# KiCad board CPU2908C3bak.kicad_pcb (continued)
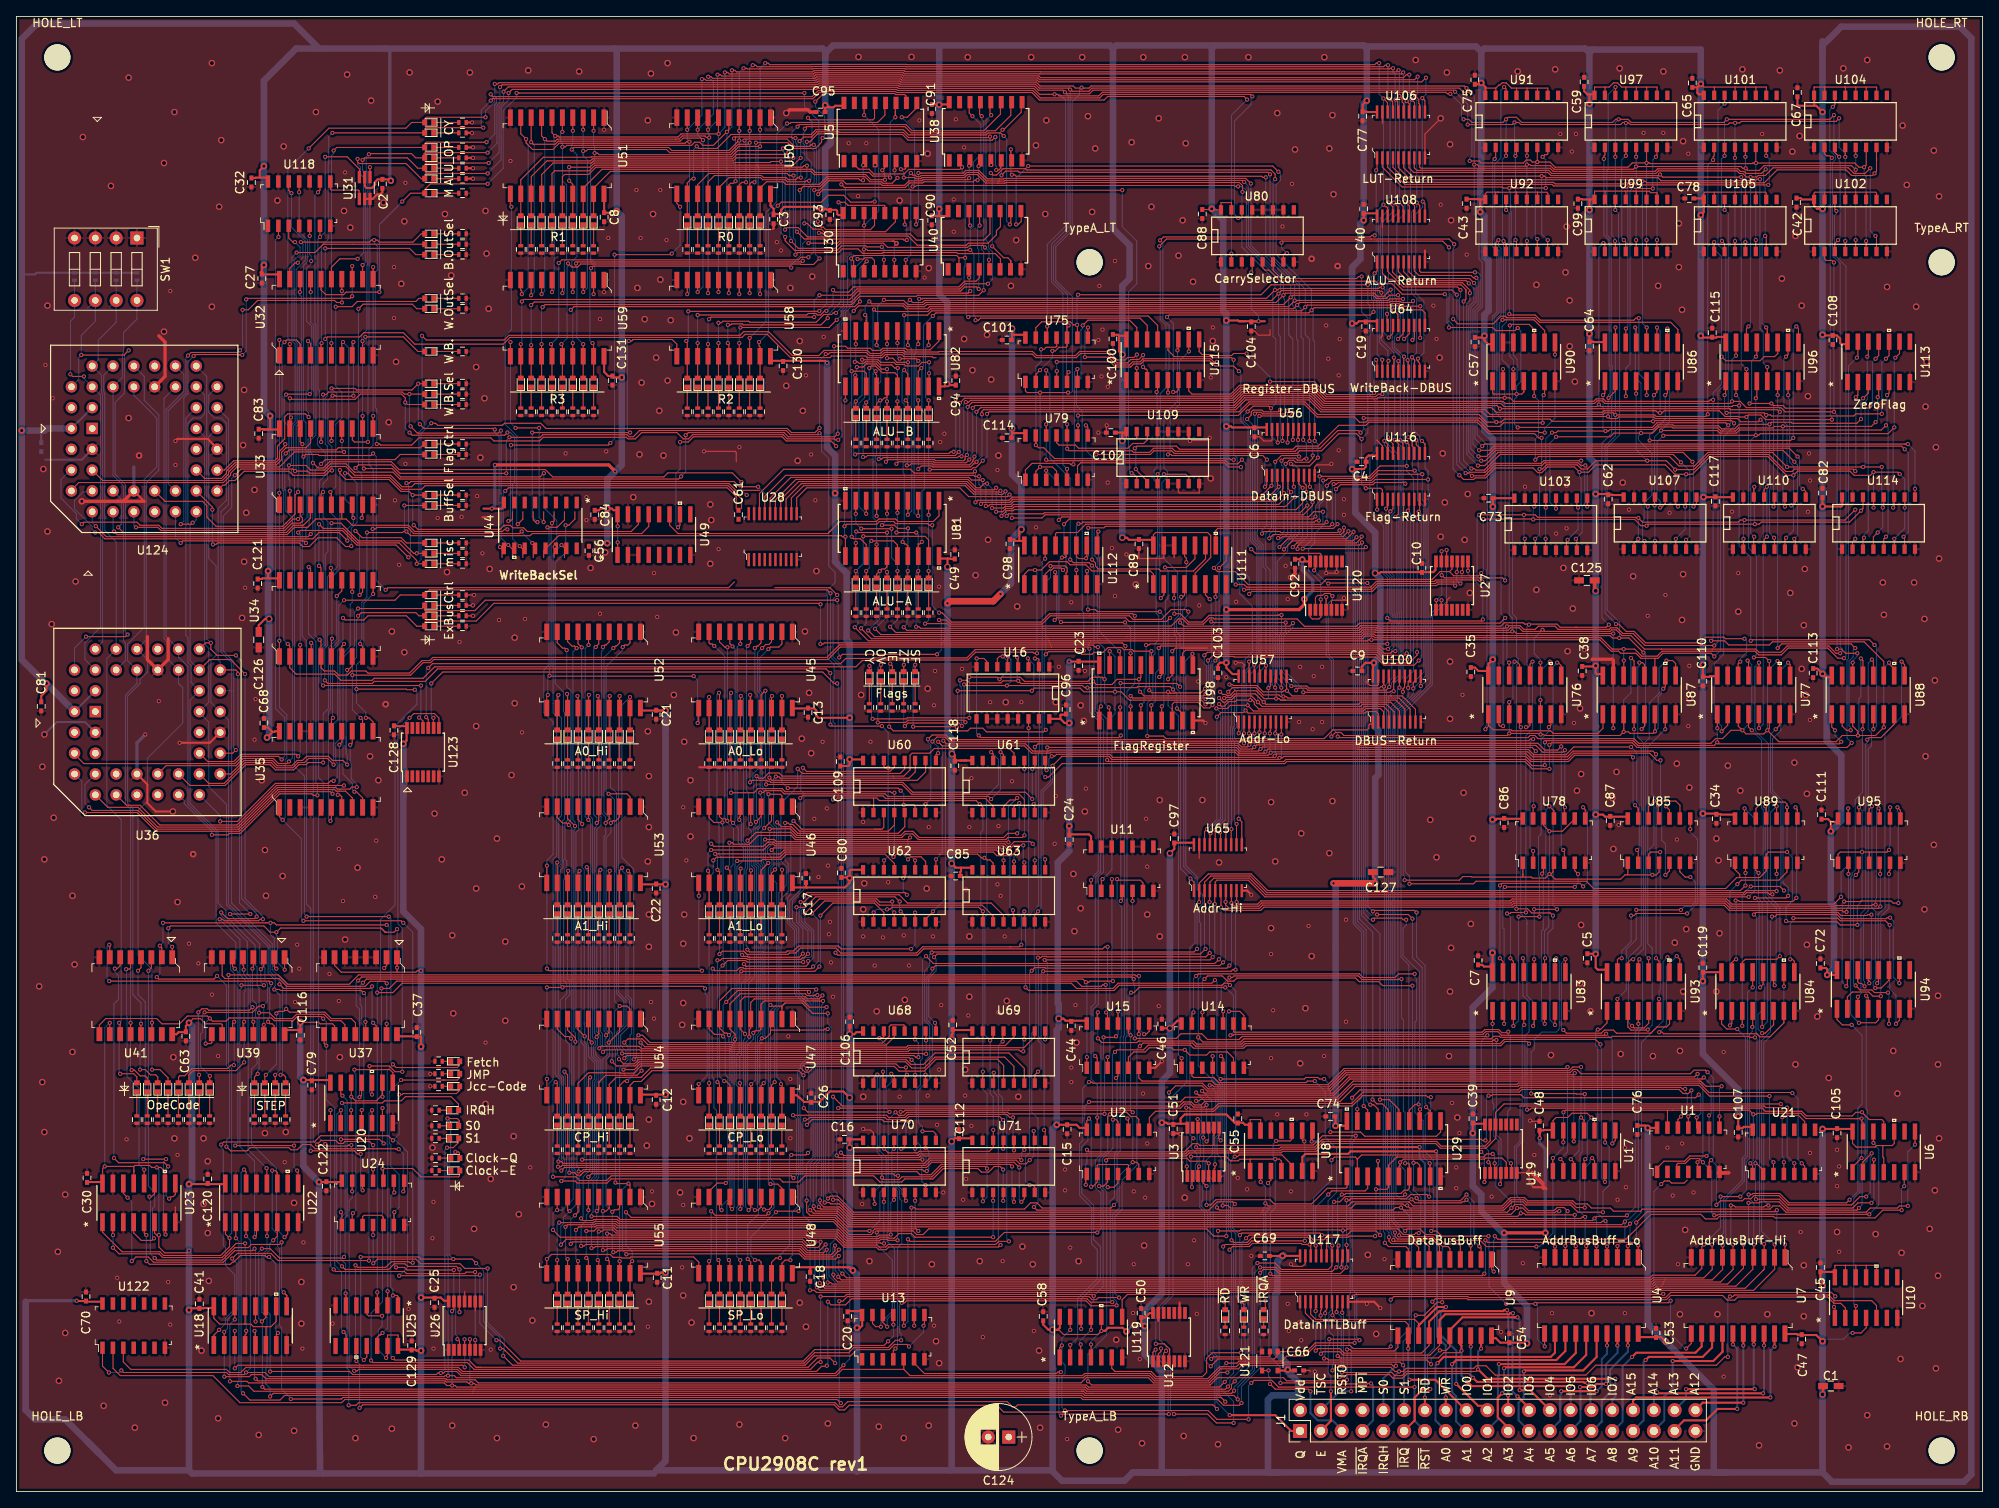
[diagram p0: board, top side]
## Routing (per net, layer and track width the routed paths; a pad name or vN(x,y) marks a point on that pad's centre or on a via; arc(x,y) is an arc through that point) (continued)
/Sequencer/BROM/A11: length 93.1
  Top w0.127: U41.11 12.67,57.08 v1(12.54,57.21) ; 14.7,49.97 14.7,50.6 14.32,50.98 v1(12.67,50.98)
  Bottom w0.127: U124.37 10.65,136.2 10.65,134.17 10.78,134.04 10.78,117.28 12.18,115.88 U36.37 11.04,101.66 11.04,83.75 12.79,81.99 12.79,57.45 v1(12.54,57.21) 12.54,51.11 v1(12.67,50.98)
/Sequencer/BROM/A12: length 49.8
  Bottom w0.127: SW1.8 14.72,143.06 13.07,141.41 13.07,138.97 12.94,138.84 12.94,135.94 U124.38 11.8,124.01 13.07,122.74 13.07,103.81 13.32,103.56 13.32,101.4 U36.38 ; R150.2 14.72,145.72 ; 14.46,144.96 14.72,145.22
/Sequencer/BROM/A13: length 47.6
  Bottom w0.127: U36.39 10.53,103.69 10.53,133.89 10.4,134.02 10.4,136.2 U124.39 9.98,138.07 9.98,140.48 12.18,142.68 SW1.7 11.38,144.54 ; R149.2 12.18,145.98
/Sequencer/BROM/A14: length 66.8
  Top w0.127: v1(13.7,139.25) 13.13,138.68 v1(7.92,138.68) ; v1(8.5,104.32) 13.31,104.32 v1(13.57,104.58)
  Bottom w0.127: R148.2 9.64,145.98 ; U124.40 7.61,135.69 7.61,138.36 v1(7.92,138.68) 7.92,141.09 9.64,142.8 SW1.6 ; v1(13.57,104.58) 13.33,104.83 13.33,122.86 12.05,124.13 12.05,132.9 13.19,134.04 13.19,138.74 v1(13.7,139.25) ; SW1.6 9.64,145.22 ; SW1.6 8.69,144.39 ; 7.1,100.39 7.1,102.91 v1(8.5,104.32)
/Sequencer/BROM/A15: length 51.8
  Top w0.127: v1(8.24,136.07) 6.84,136.07 v1(6.59,136.33)
  Bottom w0.127: 7.1,144.21 SW1.5 ; 7.1,145.22 7.1,143.31 6.59,142.8 v1(6.59,136.33) ; U36.41 8.37,101.53 8.37,103.56 10.27,105.47 10.27,133.79 U124.41 8.24,135.82 v1(8.24,136.07) ; R129.2 7.1,145.98
/Sequencer/BROM/load: length 77.8
  Top w0.127: v1(39.93,19.49) 40.23,19.19 U25.9 ; U41.9 10.13,56.94 10.91,57.71 11.14,57.71 11.15,57.72 17.13,57.72 17.77,57.08 19.92,57.08 20.87,58.03 23.32,58.03 v1(23.61,57.74) 23.94,57.41 25.59,57.41 25.97,57.79 31.16,57.79 31.49,57.46 33.77,57.46 34.27,57.96 37.2,57.96 v1(37.45,57.71) ; v1(37.83,54.41) 37.56,54.68 U37.9 ; 23.86,55.55 23.86,54.79 23.73,54.66 v1(23.1,54.66)
  Bottom w0.127: v1(37.45,57.71) 37.83,57.33 v1(37.83,54.41) 37.83,47.81 38.85,46.79 38.85,27.61 39.68,26.78 39.68,19.74 v1(39.93,19.49) ; v1(23.1,54.66) 23.1,57.23 v1(23.61,57.74)
/Sequencer/BROM/update: length 108.5
  Top w0.127: v1(24.5,62.92) 24.12,62.54 17.37,62.54 v1(17.13,62.78) ; v1(45.2,69.14) 31.74,69.14 31.48,69.4 30.45,69.4 30.45,69.4 v1(17.89,69.4) ; U37.2 45.18,64.17 v1(44.9,63.89) ; v1(31.74,63.81) 31.47,64.08 31.47,65.46 ; v1(25.64,42.09) 26.15,41.58 28.15,41.58 28.53,41.96 33.26,41.96 33.51,41.71 34.28,41.71 34.91,42.35 35.95,42.35 36.46,41.84 46.25,41.84 46.31,41.78 v1(46.66,41.78) ; v1(17.51,66.6) 17.75,66.37 U41.2 ; U24.8 47.34,36.74 v1(47.23,36.63)
  Bottom w0.127: v1(25.64,42.09) 25.64,42.85 26.02,43.24 26.02,51.55 25.64,51.94 25.64,61.78 v1(24.5,62.92) ; v1(31.02,69.4) 31.02,67.96 31.49,67.49 31.49,64.06 v1(31.74,63.81) ; v1(47.23,36.63) 47.23,41.22 v1(46.66,41.78) ; v1(17.89,69.4) 17.89,66.98 v1(17.51,66.6) 17.51,63.16 v1(17.13,62.78) ; v1(45.2,69.14) 45.46,68.89 45.46,64.45 v1(44.9,63.89)
/Sequencer/CY: length 155.4
  Top w0.127: v1(104.13,100.77) 104.11,100.75 D28.2 ; U98.2 133.45,95.58 v1(133.34,95.69) ; 153.4,149.79 153.4,149.03 154.42,148.01 163.59,148.01 163.84,148.26 v1(164.2,148.26) ; U16.6 119.73,101.64 120,101.91 v1(120.38,101.91) ; v1(164.71,122.42) 166.54,122.42 166.74,122.23 166.74,121.59 ; v1(116.32,99.37) 119.75,99.37 v1(120,99.11) 120.25,99.37 122.54,99.37 123.05,98.86 130.78,98.86 131.29,99.37 132.57,99.37 v1(132.83,99.11) ; v1(131.81,126.55) 138.41,126.55 138.86,127 141.02,127 141.34,126.67 156.32,126.67 156.64,127 159.31,127 161.4,129.09 163.56,129.09 v1(164.2,128.45) ; v1(116.32,94.42) 108.74,94.42 108.61,94.29 v1(104.51,94.29)
  Bottom w0.127: v1(164.2,148.26) 164.2,143.95 164.96,143.18 164.96,129.21 v1(164.2,128.45) 164.2,122.93 v1(164.71,122.42) ; v1(131.81,126.55) 131.56,126.3 131.56,114.22 131.94,113.85 131.94,103.77 132.83,102.88 v1(132.83,99.11) 132.83,96.19 v1(133.34,95.69) ; v1(104.51,94.29) 104.38,94.42 104.38,100.51 v1(104.13,100.77) ; v1(120,99.11) 120.89,100 120.89,101.4 v1(120.38,101.91) ; v1(116.32,94.42) v1(116.32,99.37)
/Sequencer/D0: length 29.8
  Top w0.127: v1(32.82,127.81) 32.82,127.63 32.12,126.93 32.12,126.02 31.63,125.53 26.68,125.53 26.3,125.15 26.27,125.15 25.64,124.51 25.64,124.24 25.03,123.63 22.97,123.63 U124.21 ; 34.66,138.99 34.66,140.01 34.15,140.52 32.98,140.52 v1(32.72,140.25)
  Bottom w0.127: v1(32.72,140.25) 32.43,139.96 32.43,128.2 v1(32.82,127.81)
/Sequencer/D1: length 28.1
  Top w0.127: U124.20 25.39,124.64 26.53,125.79 31.53,125.79 31.86,126.12 31.86,127.56 32.75,128.45 32.75,131.14 33.12,131.5 35.29,131.5 v1(35.67,131.12) ; U32.4 35.91,140.08 v1(35.61,140.39)
  Bottom w0.127: 35.41,134.18 35.36,134.12 35.36,131.94 35.67,131.63 v1(35.67,131.12) ; 35.41,134.18 35.47,134.24 ; 35.41,134.18 35.61,134.37 v1(35.61,140.39)
/Sequencer/D2: length 53
  Top w0.127: v1(39.86,140.26) 39.72,140.12 U32.7 ; v1(23.99,115.57) 24.34,115.57 24.53,115.75 34.53,115.75 34.97,115.31 35.74,115.31 36.82,116.39 39.11,116.39 40.19,115.31 40.82,115.31 v1(40.88,115.37) ; U124.19 23.92,120.14 v1(23.92,119.82)
  Bottom w0.127: v1(23.99,115.57) 23.92,115.63 v1(23.92,119.82) ; v1(40.88,115.37) 40.88,117.55 41.57,118.25 41.57,123.03 40.56,124.05 40.56,139.57 v1(39.86,140.26)
/Sequencer/D3: length 36.1
  Top w0.127: v1(41.13,133.72) 41.07,133.66 39.02,133.66 38.95,133.73 v1(38.59,133.73) ; v1(41.13,140.26) 40.99,140.12 U32.8 ; v1(38.51,124.6) 38.47,124.64 38.47,124.77 37.7,124.01 33.77,124.01 33.28,124.5 27.8,124.5 26.67,123.37 26.02,123.37 25.45,122.8 25.2,122.8 U124.18
  Bottom w0.127: v1(38.59,133.73) 38.03,133.16 38.03,127.99 38.51,127.5 v1(38.51,124.6) ; v1(41.13,133.72) v1(41.13,140.26)
/Sequencer/D4: length 55.2
  Top w0.127: v1(20.05,118.04) 21.32,118.04 v1(21.51,118.23) ; v1(27.57,138.69) 27.22,138.69 27.17,138.74 27.14,138.74 21.82,138.74 v1(21.63,138.55) ; v1(40.99,145.85) 40.74,145.6 28.18,145.6 v1(28.05,145.47) ; v1(40.99,149.53) 40.99,148.39
  Bottom w0.127: v1(21.63,138.55) 20.94,137.86 20.94,133.95 20.43,133.44 20.43,118.42 v1(20.05,118.04) ; U124.17 21.96,118.57 21.61,118.23 v1(21.51,118.23) ; v1(40.99,145.85) v1(40.99,149.53) ; v1(28.05,145.47) 28.05,139.17 v1(27.57,138.69)
/Sequencer/D5: length 45.3
  Top w0.127: v1(39.74,145.09) 39.1,145.09 38.85,145.34 29.45,145.34 28.31,144.2 v1(27.61,144.2) ; U32.14 v1(39.72,146.49) ; v1(27.29,139.25) 27.04,138.99 21.32,138.99 v1(20.94,138.61)
  Bottom w0.127: v1(27.29,139.25) 27.61,139.57 27.61,140.08 ; v1(20.94,138.61) 20.69,138.36 20.69,134.05 18.53,131.89 18.53,122.99 U124.16 ; 27.61,139.92 27.61,140.08 ; 27.61,140.08 v1(27.61,144.2) ; v1(39.72,146.49) 39.72,145.1 v1(39.74,145.09)
/Sequencer/D6: length 52.4
  Top w0.127: v1(35.93,146.36) 35.91,146.38 U32.17 ; v1(35.34,115.75) 35.08,116.01 20.31,116.01 v1(20.05,115.75)
  Bottom w0.127: v1(20.05,115.75) 19.42,116.39 U124.15 ; v1(35.93,146.36) 35.93,142.65 36.3,142.28 36.3,129.08 35.61,128.38 35.61,126.74 35.73,126.61 35.73,117.84 35.34,117.45 v1(35.34,115.75)
/Sequencer/D7: length 49.5
  Top w0.127: 34.64,147.25 34.64,147.25 ; v1(34.39,121.97) 34.02,121.61 34.02,119.29 32.9,118.17 32.88,118.17 32.5,117.78 24.37,117.78 23.25,118.91 23.25,120.3 22.72,120.83 18.15,120.83 U124.14 ; 34.64,146.36 34.64,146.36 34.64,146.36 ; 34.64,146.36 34.64,146.36 ; 34.64,146.36 v1(34.6,146.36) ; 34.64,146.36 34.64,147.94
  Bottom w0.127: v1(34.6,146.36) 34.6,146.01 34.78,145.82 34.78,130.28 34.46,129.96 34.46,124.2 34.39,124.13 v1(34.39,121.97)
/Sequencer/D8: length 25.1
  Top w0.127: 34.64,120.41 34.64,119.07 34.91,118.8 34.91,118.42 34.66,118.17 33.64,118.17 32.75,117.28 17.64,117.28 17.26,117.66 v1(14.59,117.66)
  Bottom w0.127: U124.11 14.34,117.91 v1(14.59,117.66)
/Sequencer/D9: length 32.7
  Top w0.127: U33.4 35.91,118.78 35.04,117.91 33.83,117.91 32.94,117.02 13.07,117.02 v1(12.43,117.66)
  Bottom w0.127: 12.81,118.04 v1(12.43,117.66) 12.81,118.04 ; 12.81,118.04 12.81,119.05 ; 12.81,118.04 12.81,119.05 ; U124.10 12.81,121.09 12.81,119.05
/Sequencer/D10: length 89.1
  Top w0.127: U33.7 39.72,118.69 ; v1(59.93,117.4) 59.58,117.4 59.32,117.15 48.61,117.15 47.85,117.91 41.01,117.91 40.24,118.67 36.56,118.67 35.55,117.66 33.94,117.66 33.05,116.77 12.3,116.77 v1(11.92,117.15) ; v1(59.68,122.1) 60.06,122.48 86.79,122.48 87.86,121.4 87.86,119.94
  Bottom w0.127: v1(59.93,117.4) 59.43,117.91 59.43,121.85 v1(59.68,122.1) ; v1(11.92,117.15) 11.8,117.28 U124.9
/Sequencer/D11: length 101.2
  Top w0.127: v1(40.4,116.03) 39.41,117.02 36.94,117.02 36.18,116.26 10.8,116.26 10.04,117.02 v1(9.64,117.02) ; U33.8 40.99,118.94 v1(41.13,118.8) ; v1(40.12,124.26) 40.47,124.26 40.98,123.75 45.58,123.75 47.04,122.3 49.46,122.3 49.9,122.74 86.89,122.74 88.52,121.11 88.52,119.94
  Bottom w0.127: v1(40.4,116.03) 40.4,117.43 41.13,118.17 v1(41.13,118.8) 41.13,120.07 40.12,121.09 v1(40.12,124.26) ; v1(9.64,117.02) 9.26,117.4 9.26,117.76 7.1,119.92 7.1,120.92 8.15,121.97 9.26,121.97
/Sequencer/D12: length 129
  Top w0.127: v1(88.5,123.18) 87.38,124.31 79.53,124.31 79.03,123.81 65.47,123.81 64.57,124.7 46.72,124.7 45.77,125.66 38.21,125.66 37.45,124.9 36.82,124.9 v1(36.18,125.53) ; v1(9.7,117.8) 10.98,116.51 35.61,116.51 v1(35.93,116.84) ; U118.9 37.05,158.79 v1(36.82,158.55) ; 89.17,121.57 v1(89.14,121.59)
  Bottom w0.127: 36.44,150.42 36.44,158.17 v1(36.82,158.55) ; 36.44,150.42 36.44,142.51 36.55,142.39 36.55,128.93 35.86,128.24 35.86,126.84 36.18,126.52 v1(36.18,125.53) 36.18,117.09 v1(35.93,116.84) ; 36.44,150.42 36.44,150.55 ; v1(89.14,121.59) 88.5,122.23 v1(88.5,123.18) ; U124.7 9.26,118.24 v1(9.7,117.8)
/Sequencer/D13: length 38.3
  Top w0.127: v1(39.99,126.86) 33.95,126.86 32.12,125.02 26.91,125.02 26.15,124.26 26.15,124.01 25.26,123.12 7.61,123.12 6.72,122.23 ; 39.72,129.7 v1(39.72,128.2)
  Bottom w0.127: v1(39.72,128.2) 39.72,127.13 v1(39.99,126.86)
/Sequencer/D14: length 31.5
  Top w0.127: 35.91,129.7 35.91,127.95 35.33,127.37 32.92,127.37 32.37,126.82 32.37,125.91 31.74,125.28 26.78,125.28 25.89,124.39 25.89,124.13 25.13,123.37 10.53,123.37 U124.5
/Sequencer/D15: length 115.9
  Top w0.127: v1(34.91,127.82) 34.64,128.09 34.64,129.7 ; v1(35.04,126.29) 35.29,126.54 36.84,126.54 36.96,126.42 43.29,126.42 v1(43.55,126.67) ; 87.64,111 86.93,110.29 45.32,110.29 v1(45.07,110.04) ; v1(34.39,118.67) 33.77,118.67 32.62,117.53 17.77,117.53 17.38,117.91 15.1,117.91 14.72,118.29 8.24,118.29 v1(7.99,118.04)
  Bottom w0.127: 6.59,124.64 5.45,123.5 5.45,121.21 7.32,119.34 7.32,118.7 v1(7.99,118.04) ; v1(34.39,118.67) 35.04,119.32 v1(35.04,126.29) 34.91,126.42 v1(34.91,127.82) ; v1(43.55,126.67) 43.93,126.29 43.93,111.18 v1(45.07,110.04)
/Sequencer/D16: length 110.9
  Top w0.127: v1(34.4,89.72) 34.15,89.97 27.41,89.97 26.53,89.08 23.35,89.08 U36.21 ; v1(34.4,117.02) 34.66,117.28 39.78,117.28 41.56,115.5 46.34,115.5 v1(47.85,113.99) ; v1(90.54,122.61) 88.25,122.61 87.62,123.25 48.16,123.25 47.96,123.05 v1(47.61,123.05) ; 34.64,102.16 v1(34.64,103.31)
  Bottom w0.127: v1(34.4,117.02) 34.64,116.78 v1(34.64,103.31) 34.64,89.95 v1(34.4,89.72) ; v1(47.85,113.99) 48.1,114.24 48.1,117.3 47.86,117.53 47.86,122.8 v1(47.61,123.05) ; 91.68,121.34 91.68,121.47 v1(90.54,122.61)
/Sequencer/D17: length 140.1
  Top w0.127: v1(26.66,124.01) 27.42,124.77 33.77,124.77 v1(34.02,124.52) 35.55,124.52 35.8,124.27 37.56,124.27 38.37,125.08 40.21,125.08 41.28,124.01 45.68,124.01 47.08,122.61 48.25,122.61 48.63,122.99 87,122.99 87.82,122.17 90.72,122.17 ; v1(26.78,90.48) 26.4,90.1 U36.20 ; 33.24,159.69 33.24,158.75 v1(33.57,158.42)
  Bottom w0.127: v1(33.57,158.42) 33.57,154.26 35.29,152.54 35.29,150.27 34.16,149.14 34.16,140.6 34.53,140.23 34.53,130.38 34.15,130 34.15,124.64 v1(34.02,124.52) ; v1(26.78,90.48) 26.53,90.73 26.53,101.27 25.26,102.54 25.26,119.05 26.28,120.07 26.28,123.63 v1(26.66,124.01)
/Sequencer/D18: length 35.9
  Top w0.127: v1(39.99,103.43) 39.72,103.16 U34.7 ; v1(38.72,88.7) 37.96,89.46 35.67,89.46 35.16,88.95 34.38,88.95 33.75,88.32 31.76,88.32 31.13,88.95 27.9,88.95 25.36,86.42 23.48,86.42 U36.19
  Bottom w0.127: v1(38.72,88.7) 38.72,93.65 39.23,94.16 39.23,102.67 v1(39.99,103.43)
/Sequencer/D19: length 33.1
  Top w0.127: v1(40.37,100.26) 40.5,100.26 40.99,100.75 U34.8 ; 24.75,87.56 26.15,87.56 27.79,89.2 31.23,89.2 31.86,88.57 33.64,88.57 34.28,89.21 34.91,89.21 35.42,89.72 38.09,89.72 38.59,89.21 39.86,89.21 v1(40.37,88.7)
  Bottom w0.127: 40.24,90.1 40.24,92.13 ; 40.24,90.1 40.24,89.97 40.37,89.84 v1(40.37,88.7) ; 40.24,90.1 40.24,92.13 ; 40.24,92.13 40.24,99.75 40.37,99.88 v1(40.37,100.26)
/Sequencer/D20: length 45.8
  Top w0.127: v1(38.72,86.73) 38.37,86.73 38.05,86.42 31.61,86.42 26.97,81.78 v1(24.88,81.78) ; U34.13 v1(40.99,109.78)
  Bottom w0.127: U36.17 24.88,82.48 v1(24.88,81.78) ; v1(38.72,86.73) 39.16,87.17 39.16,88.91 38.98,89.1 38.98,91.33 39.48,91.84 39.48,101.9 40.75,103.17 40.75,108.26 40.99,108.5 v1(40.99,109.78)
/Sequencer/D21: length 43.1
  Top w0.127: U36.16 21.2,86.16 25.47,86.16 28.01,88.7 30.98,88.7 31.61,88.07 33.85,88.07 34.49,88.7 35.36,88.7 35.61,88.95 v1(37.45,88.95) ; v1(39.1,109.28) 39.72,109.89 U34.14
  Bottom w0.127: v1(37.45,88.95) 37.45,94.9 38.09,95.54 38.09,102.98 39.1,104 v1(39.1,109.28)
/Sequencer/D22: length 51.6
  Top w0.127: v1(23.86,80.13) 24.22,80.13 ; v1(36.74,84.96) 36.24,84.96 36.05,85.14 32.17,85.14 27.34,80.32 26.02,80.32 25.83,80.13 24.27,80.13 ; v1(35.67,112.83) 35.91,112.59 U34.17
  Bottom w0.127: U36.15 20.5,84.32 20.5,83.96 23.86,80.59 v1(23.86,80.13) ; v1(35.67,112.83) 35.67,104.63 36.56,103.74 36.56,86.54 36.74,86.36 v1(36.74,84.96)
/Sequencer/D23: length 87.7
  Top w0.127: v1(33.26,89.08) 33.01,88.83 31.99,88.83 31.36,89.46 27.67,89.46 26.78,88.57 18.27,88.57 U36.14 ; 35.78,155 35.8,154.98 v1(35.8,153.22) ; v1(35.8,133.91) 33.01,133.91 32.94,133.85
  Bottom w0.127: v1(33.26,89.08) 33.69,89.51 33.69,118.85 32.88,119.67 32.88,122.17 32.75,122.29 32.75,125.9 33.32,126.46 33.32,126.89 33.26,126.94 33.26,129.98 32.68,130.55 32.68,133.6 v1(32.93,133.85) ; v1(35.8,133.91) 36.05,134.16 36.05,142.18 35.42,142.8 35.42,149.23 35.99,149.8 v1(35.99,150.16) 35.99,150.74 35.8,150.93 v1(35.8,153.22)
/Sequencer/D23B: length 355
  Top w0.127: v1(40.99,36.63) 40.99,37.9 ; v1(100.95,15.42) 99.94,14.41 54.35,14.41 53.84,14.91 41.78,14.91 41.6,14.73 v1(41.24,14.73) ; 144.85,38.36 144.85,37.69 v1(145.27,37.27) ; 41.88,160.96 41.88,161.36 40.37,162.87 v1(37.69,162.87) ; U19.13 179.9,42.81 179.24,42.15 173.92,42.15 173.34,42.73 159.52,42.73 158.57,41.78 154.46,41.78 154.26,41.58 148.23,41.58 148.22,41.58 143.05,41.58 142.68,41.2 110.23,41.2 110.04,41.01 100.99,41.01 v1(100.65,41.36) ; v1(37.07,153.09) 37.05,153.11 U118.6 ; 162.42,38.28 162.42,37.14 162.29,37.01 160.01,37.01 158.1,35.11 153.53,35.11 153.02,35.62 146.42,35.62 145.78,34.98 v1(145.27,34.98) ; v1(37.7,42.41) 37.95,42.16 40.41,42.16 40.53,42.28 v1(40.88,42.28)
  Bottom w0.127: v1(37.69,162.87) 37.69,153.71 v1(37.07,153.09) 36.81,152.83 36.81,134.53 37,134.33 37,128.77 36.74,128.5 36.74,127.73 37.7,126.77 37.7,124.02 36.99,123.31 36.99,118.77 37.45,118.31 37.45,103.43 36.89,102.86 36.89,87.12 37.45,86.56 37.45,82.99 36.89,82.42 36.89,43.23 v1(37.7,42.41) ; v1(100.65,41.36) 100.95,41.05 100.95,27.11 101.71,26.34 101.71,16.18 v1(100.95,15.42) ; v1(145.27,37.27) v1(145.27,34.98) ; v1(41.24,14.73) 40.63,15.35 40.63,35.5 40.99,35.87 v1(40.99,36.63) 40.99,41.69 40.88,41.81 v1(40.88,42.28)
/Sequencer/D26: length 34.7
  Top w0.127: v1(39.23,85.02) 39.48,85.02 39.72,84.78 U35.7 ; v1(39.99,86.16) 31.75,86.16 26.92,81.33 17.51,81.33 15.1,83.75 13.45,83.75 U36.9
  Bottom w0.127: v1(39.23,85.02) 39.23,85.4 v1(39.99,86.16)
/Sequencer/D27: length 40.8
  Top w0.127: v1(8.88,83.49) 9.26,83.11 14.84,83.11 17.13,80.83 27.13,80.83 31.96,85.65 38.85,85.65 39.04,85.46 40.18,85.46 41.01,84.64 41.01,84.26
  Bottom w0.127: U36.8 8.37,86.29 8.37,84 v1(8.88,83.49)
/Sequencer/D28: length 43
  Top w0.127: v1(40.75,91.11) 40.99,91.35 U35.13 ; U36.7 11.16,83.49 14.84,83.49 17.26,81.08 27.03,81.08 31.85,85.91 38.98,85.91 39.17,85.72 40.69,85.72 40.93,85.96 v1(41.54,85.96)
  Bottom w0.127: v1(41.54,85.96) 41.54,86.31 40.88,86.97 40.88,88.84 40.75,88.97 v1(40.75,91.11)
/Sequencer/D29: length 46
  Top w0.127: v1(39.42,91.13) 39.74,91.44 39.74,92.13 ; v1(8.37,82.86) 14.72,82.86 14.84,82.73 14.87,82.73 17.03,80.57 27.24,80.57 32.06,85.4 38.34,85.4 v1(38.59,85.14)
  Bottom w0.127: U36.6 7.99,86.67 7.99,83.24 v1(8.37,82.86) ; v1(39.42,91.13) 39.42,86.48 38.59,85.65 v1(38.59,85.14)
/Sequencer/D31: length 91.9
  Top w0.127: 7.1,89.97 8.24,88.83 26.66,88.83 27.54,89.71 31.99,89.71 v1(32.37,89.34) ; v1(31.99,153.09) 31.99,154.23
  Bottom w0.127: v1(32.37,89.34) 32.75,89.72 32.75,94.42 31.64,95.53 31.64,152.74 v1(31.99,153.09)
/Sequencer/D31B: length 159.7
  Top w0.127: 54.07,52.38 54.07,52 53.82,51.74 52.04,51.74 ; 52.04,51.74 46.34,51.74 v1(45.96,52.12) ; 52.04,51.74 52.29,51.74 ; v1(45.45,70.16) v1(35.42,70.16) ; U118.3 33.24,152.96 33.75,152.45 v1(34.01,152.45) ; 44.04,18.47 44.04,18.84 44.31,19.11 44.44,19.11 v1(44.69,19.36) ; v1(45.31,24.44) 45.31,23.17
  Bottom w0.127: v1(44.69,19.36) 45.31,19.98 v1(45.31,24.44) 45.31,24.79 45.33,24.81 45.33,42.35 45.27,42.41 45.27,51.43 v1(45.96,52.12) 45.71,52.37 45.71,69.9 v1(45.45,70.16) ; v1(34.01,152.45) 34.64,151.82 34.64,150.97 33.9,150.24 33.9,140.5 34.28,140.12 34.28,130.49 33.83,130.04 33.83,124.97 33.58,124.73 33.58,124.3 33.95,123.94 33.95,88.52 35.16,87.3 35.16,70.41 v1(35.42,70.16)
/Sequencer/DO0: length 161.8
  Top w0.127: v1(117.06,120.7) 117.32,120.96 120.35,120.96 121.15,120.96 121.53,121.34 151.8,121.34 v1(153.2,122.74) 153.27,122.81 U56.2 ; U29.19 v1(163.67,46.66) ; v1(152.05,116.89) 152.3,117.14 154.21,117.14 154.34,117.02 161.26,117.02 v1(161.51,117.28) ; U28.18 90.7,121.78 93.66,124.74 109.12,124.74 109.6,124.27 116.78,124.27 v1(117.01,124.5)
  Bottom w0.127: v1(161.51,117.28) 161.51,116.92 162.29,116.14 162.29,110.29 163.18,109.4 163.18,69.3 164.2,68.28 164.2,48.06 163.67,47.54 v1(163.67,46.66) ; v1(117.01,124.5) 117.01,124.5 117.07,124.43 117.07,120.72 v1(117.06,120.7) ; v1(153.2,122.74) 152.62,122.16 152.62,117.92 152.05,117.34 v1(152.05,116.89)
/Sequencer/DO1: length 161.9
  Top w0.127: v1(162.04,117.62) 162.04,117.15 161.66,116.77 154.23,116.77 154.22,116.78 153.41,116.78 v1(152.94,116.31) ; v1(117.73,120.52) 117.91,120.7 120.45,120.7 120.45,120.71 121.26,120.71 121.64,121.09 152.56,121.09 v1(154.08,122.61) 153.92,122.77 U56.3 ; U28.17 91.35,121.44 93.92,124.01 116.85,124.01 116.97,123.88 v1(117.52,123.88) ; v1(164.45,47.04) 164.94,46.55 164.94,45.22
  Bottom w0.127: v1(164.45,47.04) 164.45,68.38 163.44,69.4 163.44,109.51 162.55,110.4 162.55,116.25 162.04,116.76 v1(162.04,117.62) ; v1(154.08,122.61) 154.08,122.26 153.45,121.63 153.45,117.35 152.94,116.83 v1(152.94,116.31) ; v1(117.73,120.52) 117.73,122.67 117.49,122.9 117.49,123.5 117.52,123.53 v1(117.52,123.88)
/Sequencer/DO2: length 160.1
  Top w0.127: v1(118.33,120.26) 118.69,120.26 118.87,120.45 120.56,120.45 120.56,120.45 121.36,120.45 121.74,120.83 153.71,120.83 v1(154.72,121.85) 154.57,122 U56.4 ; v1(162.59,117.18) 161.93,116.51 154.53,116.51 154.36,116.34 v1(154.01,116.34) ; v1(117.95,123.43) 116.59,123.43 116.26,123.75 94.52,123.75 92,121.23 U28.16 ; U29.17 166.21,46.66 165.67,47.21 v1(165.26,47.21)
  Bottom w0.127: v1(118.33,120.26) 118.33,122.5 117.95,122.89 v1(117.95,123.43) ; v1(165.26,47.21) 164.76,47.72 164.76,68.53 163.69,69.59 163.69,109.61 162.8,110.5 162.8,116.62 162.59,116.83 v1(162.59,117.18) ; v1(154.01,116.34) 154.72,117.06 v1(154.72,121.85)
/Sequencer/DO3: length 163.2
  Top w0.127: U29.16 167.48,46.55 166.73,47.31 166.07,47.31 v1(165.53,47.84) ; U56.5 155.22,122.36 v1(155.6,121.97) 154.08,120.45 121.72,120.45 121.47,120.2 120.66,120.2 120.48,120.01 v1(119.1,120.01) ; v1(154.16,115.24) 155.18,116.26 162.36,116.26 v1(163.22,117.11) ; v1(118.48,122.99) 118.13,122.99 117.62,122.48 117.17,122.48 116.15,123.5 95.14,123.5 92.64,121 92.64,119.39
  Bottom w0.127: v1(165.53,47.84) 165.56,47.86 165.56,68.25 163.94,69.87 163.94,109.72 163.05,110.61 163.05,116.6 163.22,116.76 v1(163.22,117.11) ; v1(118.48,122.99) 119.1,122.38 v1(119.1,120.01) ; v1(154.16,115.24) 155.6,116.68 v1(155.6,121.97)
/Sequencer/DO4: length 163
  Top w0.127: U29.15 168.75,46.02 168.75,46.02 168.75,46.64 167.57,47.82 v1(166.44,47.82) ; v1(155.93,122.61) 155.87,122.67 U56.6 ; v1(119.6,119.56) 120.39,119.56 120.77,119.94 121.57,119.94 121.83,120.2 154.91,120.2 v1(156.05,121.34) ; v1(154.73,114.97) 155.76,116.01 163.13,116.01 v1(163.58,116.45) ; U28.14 93.3,121.06 95.48,123.25 116.05,123.25 117.06,122.23 119.34,122.23 v1(119.6,122.49)
  Bottom w0.127: v1(166.44,47.82) 166.44,68.06 164.2,70.31 164.2,109.82 163.33,110.69 163.33,116.2 v1(163.58,116.45) ; v1(154.73,114.97) 154.73,115.45 156.05,116.77 v1(156.05,121.34) 156.05,122.48 v1(155.93,122.61) ; v1(119.6,122.49) 119.6,122.48 v1(119.6,119.56)
/Sequencer/DO5: length 167.1
  Top w0.127: v1(155.8,115.24) 156.3,115.75 163.56,115.75 164.2,116.39 v1(164.2,116.53) ; v1(120.24,119.05) 120.87,119.69 121.68,119.69 121.81,119.82 156.2,119.82 157,120.62 v1(157,121.09) ; v1(169.64,69.78) 169.29,69.78 169.09,69.97 165.78,69.97 v1(165.59,69.79) ; U29.14 170.02,46.54 170.73,47.24 v1(171.15,47.24) ; U56.7 156.52,122.96 v1(157,122.48) ; v1(120.11,122.12) 119.96,121.97 116.94,121.97 115.92,122.99 95.81,122.99 93.95,121.13 U28.13
  Bottom w0.127: v1(120.11,122.12) 120.24,121.99 v1(120.24,119.05) ; v1(169.64,69.78) 169.64,69.16 169.66,69.14 169.26,68.75 169.26,65.4 171.27,63.39 171.27,47.72 171.15,47.59 v1(171.15,47.24) ; v1(165.59,69.79) 165.24,69.79 164.45,70.57 164.45,109.93 163.81,110.57 163.81,116.01 164.2,116.39 v1(164.2,116.53) ; v1(155.8,115.24) 157,116.45 v1(157,121.09) v1(157,122.48)
/Sequencer/DO6: length 164.2
  Top w0.127: v1(170.4,69.91) 169.9,70.41 v1(166.09,70.41) ; v1(120.87,119.05) 121.13,119.31 125.34,119.31 125.47,119.44 156.69,119.44 v1(157.58,120.32) ; U29.13 171.29,46.61 v1(171.32,46.64) ; v1(156.38,115.01) 156.38,115.37 156.51,115.5 163.95,115.5 v1(164.25,115.81) ; U28.12 94.6,121.24 96.09,122.74 115.82,122.74 116.83,121.72 119.86,121.72 119.92,121.66 120.35,121.66 v1(120.73,122.04) ; U56.8 157.17,123.07 157.44,122.8 v1(157.44,121.95)
  Bottom w0.127: v1(156.38,115.01) 156.38,115.37 157.58,116.57 v1(157.58,120.32) 157.58,120.74 157.44,120.87 v1(157.44,121.95) ; v1(166.09,70.41) 166.03,70.35 165.37,70.35 164.71,71.01 164.71,110.04 164.2,110.55 164.2,115.4 164.25,115.45 v1(164.25,115.81) ; v1(171.32,46.64) 171.59,46.9 171.59,63.93 170.4,65.12 v1(170.4,69.91) ; v1(120.73,122.04) 120.73,119.55 120.87,119.41 v1(120.87,119.05)
/Sequencer/DO7: length 163.6
  Top w0.127: v1(172.07,46.92) 172.56,46.43 172.56,45.27 ; U56.9 157.82,122.67 v1(157.88,122.61) ; v1(164.71,115.24) 164.52,115.06 v1(157,115.06) ; U28.11 95.25,121.26 96.48,122.48 115.16,122.48 116.24,121.4 120.97,121.4 v1(121.22,121.65) ; v1(158.21,120.7) 158.21,120.31 157.09,119.18 125.57,119.18 125.19,118.8 v1(121.51,118.8) ; v1(170.91,70.67) 170.66,70.92 165.7,70.92 v1(165.58,70.79)
  Bottom w0.127: v1(121.51,118.8) 121.51,121.37 v1(121.22,121.65) ; v1(157,115.06) 158.13,116.18 158.13,120.27 158.21,120.35 v1(158.21,120.7) 158.21,122.28 v1(157.88,122.61) ; v1(164.71,115.24) 164.45,114.99 164.45,110.66 164.96,110.15 164.96,71.41 v1(165.58,70.79) ; v1(170.91,70.67) 170.91,65.24 171.94,64.21 171.94,47.4 172.07,47.27 v1(172.07,46.92)
/Sequencer/DO_JUMP: length 50.9
  Top w0.127: v1(53.83,18.6) 54.09,18.34 54.09,17.45 ; 52.04,50.22 v1(46.96,50.22) ; 52.04,50.22 52.29,50.22 ; 52.04,50.22 53.82,50.22 54.06,50.46 54.07,50.46 54.11,50.5 D182.2 ; v1(53.39,27.04) 47.68,27.04 47.36,27.36 v1(46.34,27.36) ; v1(46.13,34.09) 46.07,34.03 U24.6
  Bottom w0.127: v1(46.96,50.22) 45.52,48.78 45.52,42.52 45.71,42.33 45.71,39.68 46.71,38.68 46.71,34.67 v1(46.13,34.09) 46.13,27.57 v1(46.34,27.36) ; v1(53.83,18.6) 53.83,18.95 53.62,19.17 53.62,22.27 53.39,22.49 v1(53.39,27.04)
/Sequencer/FlagIn3: length 139
  Top w0.127: 146.91,102.92 146.78,102.92 ; 146.91,102.92 166.31,102.92 166.94,102.29 167.71,102.29 167.96,102.54 v1(168.31,102.54) ; 146.91,102.92 142.21,102.92 ; 145.38,102.92 142.21,102.92 ; 142.21,102.92 141.46,102.92 v1(141.08,102.54) ; v1(141.18,97.87) 140.82,98.22 136.89,98.22 136.76,98.1 v1(130.74,98.1) 130.38,98.1 130.13,98.35 v1(120.89,98.35) 115.81,98.35 v1(115.68,98.48) ; v1(105.14,93.85) 108.53,93.85 108.81,94.13 115.59,94.13 v1(115.84,93.88) ; U116.5 168.68,119.29 v1(168.32,118.93) ; 142.34,94.42 142.34,94.88 v1(141.66,95.56) ; U16.5 121,101.9 v1(121.01,101.91) ; v1(105.52,100.89) 105.51,100.88 D29.2 ; U11.1 131.16,74.59 v1(131.18,74.6)
  Bottom w0.127: v1(115.84,93.88) 115.68,94.03 v1(115.68,98.48) ; v1(105.14,93.85) 105.14,100.51 v1(105.52,100.89) ; v1(130.74,98.1) 130.99,97.85 130.99,95.14 132.07,94.06 132.07,75.73 131.43,75.09 131.43,74.85 v1(131.18,74.6) ; v1(121.01,101.91) 121.4,101.52 121.4,98.86 v1(120.89,98.35) ; v1(141.66,95.56) 141.66,97.38 v1(141.18,97.87) 141.18,102.45 v1(141.08,102.54) ; v1(168.31,102.54) 168.5,102.73 168.5,106.04 168.54,106.08 168.54,107.13 168.5,107.17 168.5,118.75 v1(168.32,118.93)
/Sequencer/FlagIn6: length 158.8